# Altium PCB CHAS_CTRL_G0_V1.1.PcbDoc
Units mm, origin at the board's own origin, x right, y up, seen from the top; angles counter-clockwise.
Board outline 68.5 x 50 mm, 2 copper layers (Top Layer, Bottom Layer); 61 components, 59 nets, 244 pads, 88 vias.
Unrouted connection lines stored in the file: 1.
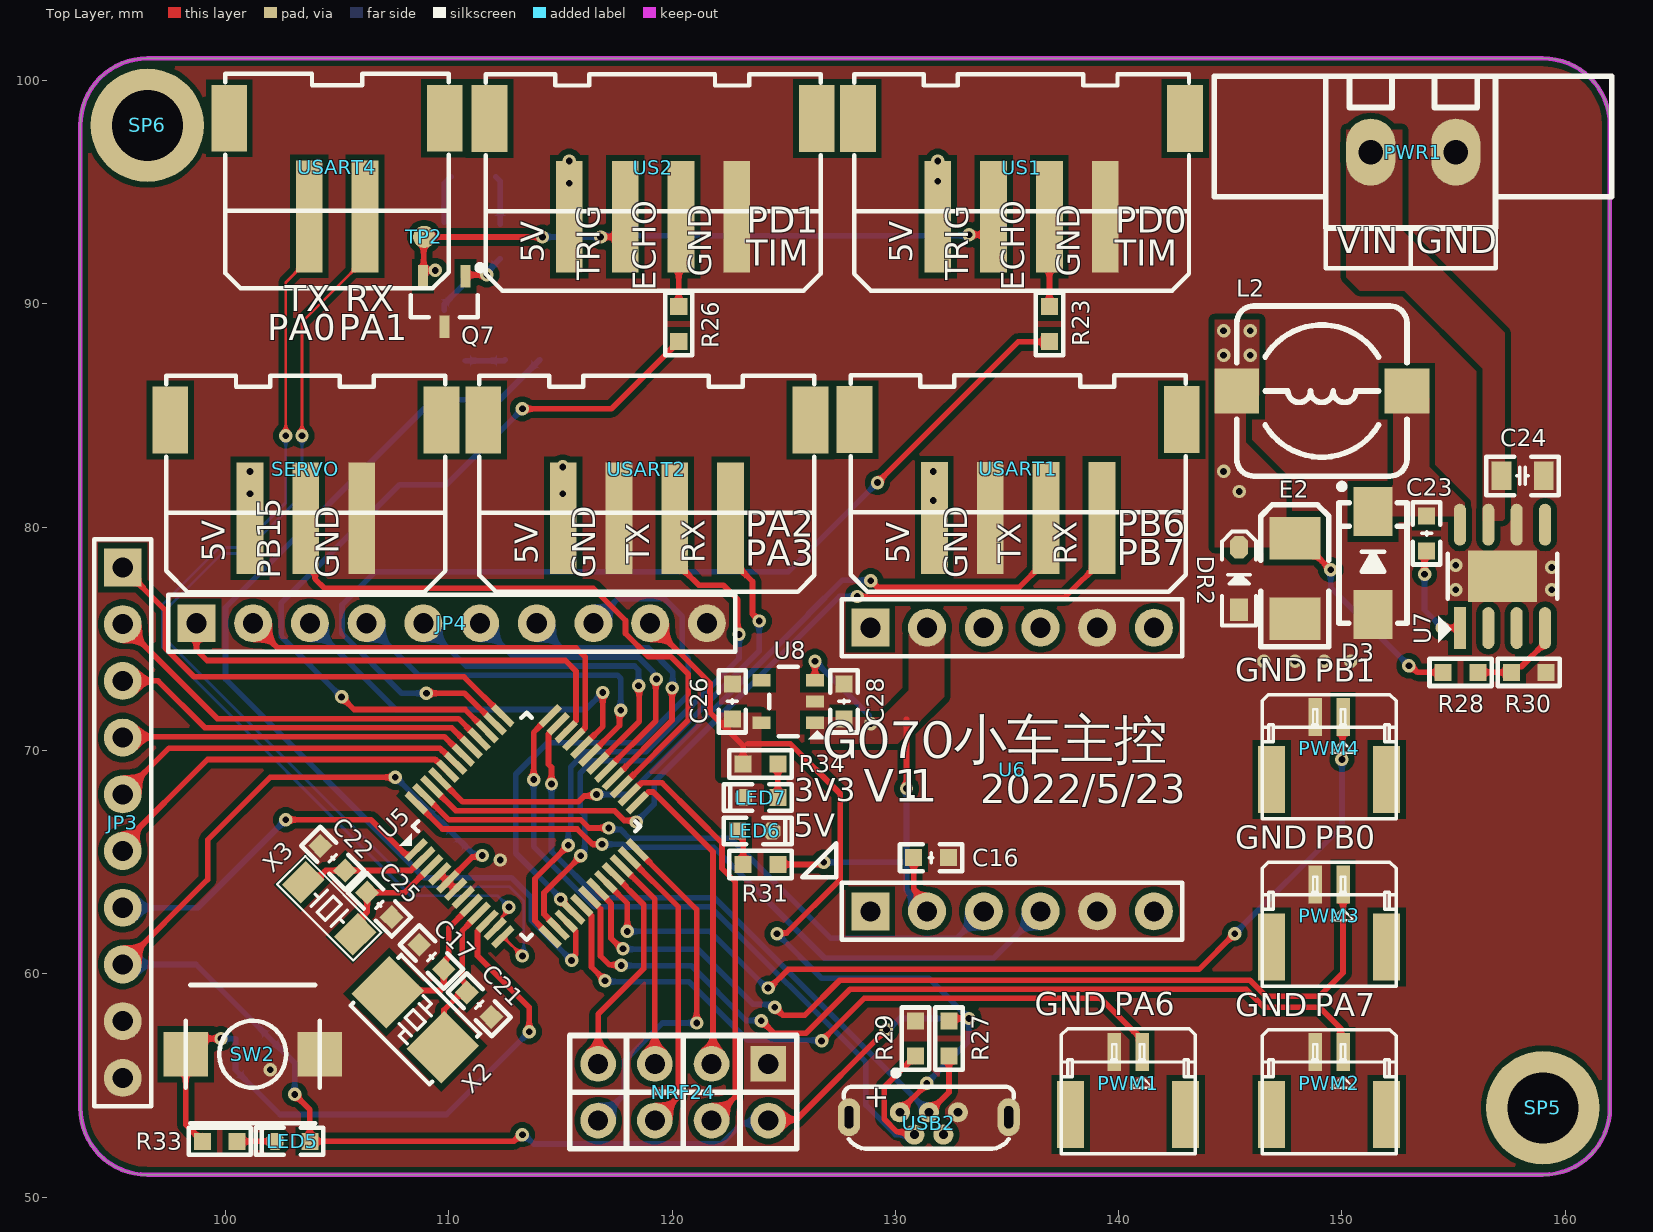
[diagram p0: Top Layer view]
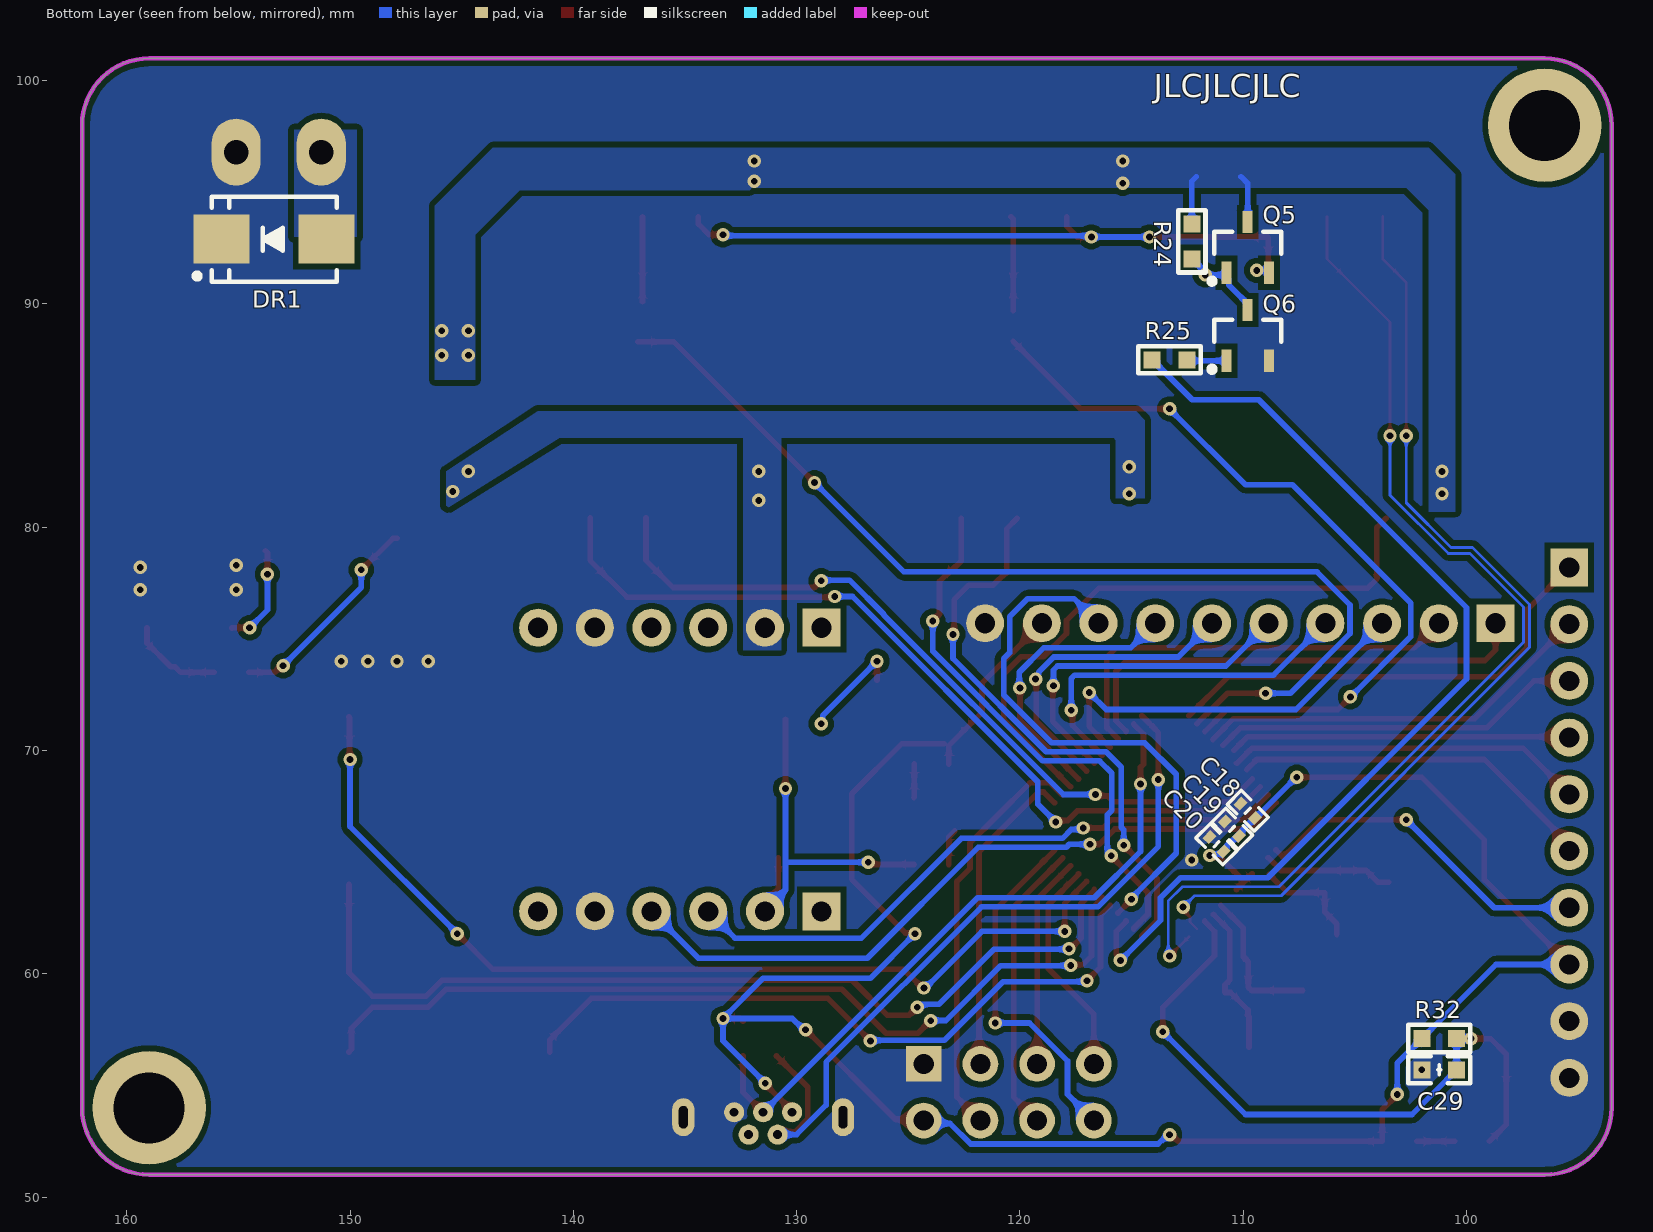
[diagram p1: Bottom Layer view, seen from below]

## Layer stack, top to bottom
Top Solder: solder mask 0.0102, Solder Resist, Dk 3.5
Top Layer: signal copper 0.0356
Dielectric 1: dielectric 0.32, FR-4, Dk 4.8
Bottom Layer: signal copper 0.0356
Bottom Solder: solder mask 0.0102, Solder Resist, Dk 3.5

## Board outline
93.5,54 ccw(c96.5,54) 96.5,51 159,51 ccw(c159,54) 162,54 162,98 ccw(c159,98) 159,101 96.5,101 ccw(c96.5,98) 93.5,98

## Design rules (kind name [scope] priority, off if disabled: settings)
Clearance Polygon [InPolygon] p1: gap=0.254 ignorepadtopadclearanceinfootprint=FALSE
Clearance [All] p2: gap=0.127 ignorepadtopadclearanceinfootprint=FALSE except(0.152: Arc-Arc Arc-Track Track-Track; 0.305: Arc-Via Arc-Hole Track-Via Track-Hole)
HoleSize [All] p1: absolutevalues=TRUE maxlimit=10 minlimit=0.3 maxpercent=80.000 minpercent=20.000
MinimumSolderMaskSliver [All] p1: minsoldermaskwidth=0
PlaneConnect [All] p1: planeconnectstyle=Direct reliefexpansion=0.508 reliefentries=4 reliefconductorwidth=0.254 reliefairgap=0.254
PolygonConnect [All] p1: connectstyle=Direct reliefconductorwidth=0.254 reliefentries=4 polygonreliefangle="90 Angle" airgapwidth=0.254
RoutingVias [All] p1: holewidth=0.3 width=0.6 viastyle="Through Hole" minholewidth=0.3 minwidth=0.6 maxholewidth=0.711 maxwidth=1.27
SilkToSilkClearance [All] p1: silktosilkclearance=0
SilkToSolderMaskClearance [IsPad] p1: minsilkscreentomaskgap=0 clearancetoexposedcopper=TRUE
SolderMaskExpansion [All] p1: expansion=0.064 istentingtop=FALSE
Width [All] p1: maxlimit=1.016 minlimit=0.127 preferedwidth=0.254
25 further rules are at their usual default settings.

## Components (designator, comment, footprint, x,y, rotation, side; value= is the part's Value field where it differs from the comment)
C16 "104" "C 0603_L" 131.6,65.2 r180 top
C17 "22pF" "C 0603_L" 109.227,60.754 r315 top
C18 "104" "C 0402_L" 109.8,67.3 r225 bottom
C19 "104" "C 0402_L" 110.5,66.5 r225 bottom
C20 "4.7uF" "C 0402_L" 111.2,65.8 r225 bottom
C21 "22pF" "C 0603_L" 111.365,58.617 r135 top
C22 "12pF" "C 0603_L" 104.805,65.176 r135 top
C23 "103" "C 0603_L" 153.79,79.723 r270 top
C24 "106" "C 0805_L" 158.09,82.3 r180 top
C25 "12pF" "C 0603_L" 106.894,63.088 r315 top
C26 "4.7uF" "C 0603_L" 122.7,72.2 r270 top
C28 "105" "C 0603_L" 127.7,72.2 r270 top
C29 "104" "C 0603_L" 101.223,55.7 r180 bottom
D3 "B340A" SMA 151.39,78.4 r90 top
DR1 "SMBJ28CA" SMB 153.4,92.9 r0 bottom
DR2 "SMF5.0A" SOD-323 145.39,77.7 r90 top
E2 "220uF/6.3V" "CD B(3528)" 147.89,77.7 r270 top
JP3 "HDR-1X10" HDR2.54-LI-10P 95.4,66.77 r270 top
JP4 "HDR-1X10" HDR2.54-LI-10P 110.13,75.7 r0 top
L2 "15uH" CDRH73 149.1,86.1 r180 top
LED5 "WHITE" "LED 0603W" 103,52.5 r180 top
LED6 "RED" "LED 0603R" 123.7,66.4 r0 top
LED7 "RED" "LED 0603R" 123.976,67.895 r180 top
NRF24 "E01C-ML01D" HDR2.54-LI-2x4P 120.5,54.7 r180 top
PWM1 "HDR-1X2" GH1.25-LS-2P 140.425,54 r0 top
PWM2 "HDR-1X2" GH1.25-LS-2P 149.425,54 r0 top
PWM3 "HDR-1X2" GH1.25-LS-2P 149.425,61.5 r0 top
PWM4 "HDR-1X2" GH1.25-LS-2P 149.425,69 r0 top
PWR1 "绿头卧式2P" 15EDGVM-02P-3.81mm 147.48,96.3 r180 top
Q5 "MMBT2222" SOT23-3L 109.8,92.543 r180 bottom
Q6 "MMBT2222" SOT23-3L 109.8,88.6 r180 bottom
Q7 "MMBT2907A" SOT23-3L 109.8,90.1 r180 top
R23 "22" "R 0603_L" 136.9,89.1 r270 top
R24 "10K" "R 0603_L" 112.3,92.8 r90 bottom
R25 "100" "R 0603_L" 113.3,87.5 r180 bottom
R26 "22" "R 0603_L" 120.3,89.1 r270 top
R27 "10K" "R 0603_L" 132.4,57.1 r90 top
R28 "10K" "R 0603_L" 155.313,73.5 r180 top
R29 "10K" "R 0603_L" 130.9,57.1 r90 top
R30 "3.24K" "R 0603_L" 158.367,73.5 r0 top
R31 "3.3K" "R 0603_L" 123.958,64.9 r180 top
R32 "10K" "R 0603_L" 101.223,57.1 r0 bottom
R33 "1K" "R 0603_L" 99.746,52.5 r0 top
R34 "1.5K" "R 0603_L" 123.958,69.4 r0 top
SERVO "HDR-1X3" XH2.54-LS-3P 103.6,83.783 r0 top
SP5 "M3铜柱" M3x8_L 159,54 r0 top
SP6 "M3铜柱" M3x8_L 96.5,98 r0 top
SW2 "6x6x5" "TS 2PIN 6x6x4.8" 101.223,56.4 r0 top
TP2 "TEST" "TEST 1" 108.9,93 r180 top
U5 "STM32G070CBT6" STMicroelectronics_LQFP48-5B_MFG 113.486,66.607 r45 top
U6 "JY60" JY60 135.23,62.8 r0 top locked
U7 "TPS5430" Texas_Instruments_DDA0008J_IPC_C 157.19,77.8 r90 top
U8 "LP5907MFX-3.3" Diodes_SOT25_MFG 125.2,72.2 r180 top
US1 "HDR-1X4" XH2.54-LS-4P 135.65,97.283 r0 top
US2 "HDR-1X4" XH2.54-LS-4P 119.15,97.283 r0 top
USART1 "HDR-1X4" XH2.54-LS-4P 135.5,83.8 r0 top
USART2 "HDR-1X4" XH2.54-LS-4P 118.874,83.784 r0 top
USART4 "HDR-1X2" XH2.54-LS-2P 105,97.3 r0 top
USB2 "SWD" USB-MICRO_C 131.5,53.3 r0 top
X2 "8MHz" "OSC 5032-2P" 108.501,57.945 r135 top
X3 "32.768KHz" "OSC 3215-2P" 104.647,62.93 r135 top

## Footprints (in the part's own frame and the unit in brackets; to place one, negate y for a bottom-side part, rotate by r counter-clockwise, add the part's x,y. Pads: shape width x height; smd on the part's side, far side on the other; paste and mask are expansions set on the pad)
15EDGVM-02P-3.81mm [mm]
  oval 2.2x3 hole 1.1: 1(-7.62,-0.5) 2(-3.81,-0.5)
  silkscreen extent -14.6,-3.9 3.2,2.9, body extent -14.7,-4 3.31,3, height 9.2
"C 0402_L" [mm] "无极性贴片电容"
  rect 0.4x0.5 smd: 1(-0.45,0) 2(0.45,0)
  silkscreen extent -0.85,-0.45 0.85,0.45, body extent -0.5,-0.26 0.5,0.26, height 0.53
"C 0603_L" [mil] "无极性贴片电容"
  rect 30x30 smd: 1(-30.59,0) 2(30.59,0)
  silkscreen extent -55,-24 55,24, body extent -31,-16 31,16, height 32
"C 0805_L" [mil] "无极性贴片电容"
  rect 35x50 smd: 1(-37.4,0) 2(37.4,0)
  silkscreen extent -64,-34 64,34, body extent -39,-24 39,24, height 20
"CD B(3528)" [mil] "长3.5mm，宽2.8mm，厚1.9mm"
  rect 75x90 smd: 1(-70.87,-0.01) 2(70.86,-0.01)
  silkscreen extent -130,-60 120,60, body extent -69,-55 69,55, height 75
CDRH73 [mm] "7.3*7.3*3.4mm（长宽高）"
  rect 2x2 smd: 1(-3.81,0) 2(3.81,0)
  silkscreen extent -3.81,-3.81 3.81,3.81, body extent -3.65,-3.65 3.65,3.65, height 3.65
Diodes_SOT25_MFG [mm]
  rect 0.8x0.55 smd paste+0 mask+0: 1(-1.2,0.95) 2(-1.2,0) 3(-1.2,-0.95) 4(1.2,-0.95) 5(1.2,0.95)
  silkscreen extent -1.7,-1.55 0.85,1.7, body extent -1.7,-1.65 1.7,1.65, height 0.25
GH1.25-LS-2P [mm] "A1257WR-S-2P"
  rect 1.2x3 smd: 0(-2.575,-0.3) 0(2.575,-0.3)
  rect 0.6x1.7 smd: 1(0.625,2.5) 2(-0.625,2.5)
  silkscreen extent -3,-2.05 3,2.85, body extent -2.88,-2.05 2.88,2.85, height 4.08
HDR2.54-LI-2x4P [mm] "双排排针，4x2脚"
  rect 1.6x1.6 hole 0.9: 1(-3.81,-1.27)
  round 1.6 hole 0.9: 2(-3.81,1.27) 3(-1.27,-1.27) 4(-1.27,1.27) 5(1.27,-1.27) 6(1.27,1.27) 7(3.81,-1.27) 8(3.81,1.27)
  silkscreen extent -5.08,-2.54 5.08,2.54, body extent -5.08,-2.54 5.08,2.54, height 8.5
HDR2.54-LI-10P [mm] "排针，10脚"
  rect 1.7x1.7 hole 0.9: 1(-11.43,0)
  round 1.7 hole 0.9: 2(-8.89,0) 3(-6.35,0) 4(-3.81,0) 5(-1.27,0) 6(1.27,0) 7(3.81,0) 8(6.35,0) 9(8.89,0) 10(11.43,0)
  silkscreen extent -12.7,-1.27 12.7,1.27, body extent -12.7,-1.27 12.7,1.27, height 8.5
JY60 [mm] "六轴IMU"
  rect 1.7x1.7 hole 0.9: 1(-6.35,0) 7(-6.35,12.7)
  round 1.7 hole 0.9: 2(-3.81,0) 3(-1.27,0) 4(1.27,0) 5(3.81,0) 6(6.35,0) 8(-3.81,12.7) 9(-1.27,12.7) 10(1.27,12.7) 11(3.81,12.7) 12(6.35,12.7)
  silkscreen extent -9.4,-1.27 7.62,13.97, body extent -7.62,-1.27 7.62,13.97, height 8.5
"LED 0603R" [mil] "红色0603LED"
  rect 30x30 smd: 1(-30.59,0)
  oct 30x30 smd: 2(30.59,0)
  silkscreen extent -54,-24 65,24, body extent -31,-16 32,16, height 24
"LED 0603W" [mil] "白色0603LED"
  rect 30x30 smd: 1(-30.59,0)
  oct 30x30 smd: 2(30.59,0)
  silkscreen extent -54,-24 65,24, body extent -31,-16 32,16, height 24
M3x8_L [mm] "M3铜柱，长：8mm"
  round 5.08 hole 3.175: 1(0,0)
  body extent -2.7,-2.35 2.7,2.35, height 8.05
"OSC 3215-2P" [mm] "3.2*1.5*0.6mm(长宽高)"
  rect 1.2x1.5 smd: 1(-1.65,0) 2(1.65,0)
  silkscreen extent -2.41,-0.89 2.41,0.89, body extent -1.6,-0.75 1.6,0.75, height 0.61
"OSC 5032-2P" [mm] "5mm*3.2mm*0.8mm(长*宽*高)"
  rect 2.2x2.4 smd: 1(-1.75,0) 2(1.75,0)
  silkscreen extent -2.5,-1.6 2.5,1.6, body extent -2.5,-1.6 2.5,1.6, height 0.86
"R 0603_L" [mil] "1/10W贴片电阻"
  rect 30x30 smd: 1(-30.59,0) 2(30.59,0)
  silkscreen extent -55,-24 55,24, body extent -31,-16 32,16, height 16
SMA [mm] "4.5x2.6*2.2mm（长宽高，不包括引脚）"
  rect 2.2x1.75 smd: 1(-2.3,0) 2(2.3,0)
  silkscreen extent -2.7,-1.52 3.56,1.52, body extent -2.52,-1.3 2.57,1.3, height 2.15
SMB [mm] "4.7*3.9*2.2mm(长宽高，不包括引脚）"
  rect 2.5x2.2 smd: 1(-2.35,0) 2(2.35,0)
  silkscreen extent -2.8,-1.9 3.58,1.9, body extent -2.63,-1.8 2.67,1.8, height 2.35
SOD-323 [mm] "1.8x1.3X0.9mm（长宽高，不包括引脚）"
  rect 1x0.8 smd: 1(-1.4,0)
  oct 1x0.8 smd: 2(1.4,0)
  silkscreen extent -2.11,-0.76 2.11,0.76, body extent -1.34,-0.63 1.31,0.67, height 1
SOT23-3L [mm] "3x1.3x1mm(长宽高)"
  rect 0.45x1 smd: 1(-0.95,-1.143) 2(0.95,-1.143) 3(0,1.125)
  silkscreen extent -1.73,-1.65 1.5,0.7, body extent -1.5,-1.2 1.5,1.2, height 1.05
STMicroelectronics_LQFP48-5B_MFG [mm]
  rect 1.2x0.3 smd paste+0 mask+0: 1(-4.25,2.75) 2(-4.25,2.25) 3(-4.25,1.75) 4(-4.25,1.25) 5(-4.25,0.75) 6(-4.25,0.25) 7(-4.25,-0.25) 8(-4.25,-0.75) 9(-4.25,-1.25) 10(-4.25,-1.75) 11(-4.25,-2.25) 12(-4.25,-2.75) 25(4.25,-2.75) 26(4.25,-2.25) 27(4.25,-1.75) 28(4.25,-1.25) 29(4.25,-0.75) 30(4.25,-0.25) 31(4.25,0.25) 32(4.25,0.75) 33(4.25,1.25) 34(4.25,1.75) 35(4.25,2.25) 36(4.25,2.75)
  rect 0.3x1.2 smd paste+0 mask+0: 13(-2.75,-4.25) 14(-2.25,-4.25) 15(-1.75,-4.25) 16(-1.25,-4.25) 17(-0.75,-4.25) 18(-0.25,-4.25) 19(0.25,-4.25) 20(0.75,-4.25) 21(1.25,-4.25) 22(1.75,-4.25) 23(2.25,-4.25) 24(2.75,-4.25) 37(2.75,4.25) 38(2.25,4.25) 39(1.75,4.25) 40(1.25,4.25) 41(0.75,4.25) 42(0.25,4.25) 43(-0.25,4.25) 44(-0.75,4.25) 45(-1.25,4.25) 46(-1.75,4.25) 47(-2.25,4.25) 48(-2.75,4.25)
  silkscreen extent -4.65,-3.6 3.6,3.6, body extent -4.95,-4.95 4.95,4.95, height 0.25
"TEST 1" [mm] "测试点1mm"
  round 1 smd paste-1: 1(0,0)
Texas_Instruments_DDA0008J_IPC_C [mm]
  rect 1.874x0.542 smd paste+0 mask+0: 1(-2.316,1.905)
  rrect100% 1.874x0.542 smd paste+0 mask+0: 2(-2.316,0.635) 3(-2.316,-0.635) 4(-2.316,-1.905) 5(2.316,-1.905) 6(2.316,-0.635) 7(2.316,0.635) 8(2.316,1.905)
  rect 2.3x3.1 smd paste-1000 mask+0: 9(0,0)
  silkscreen extent -2.98,-2.45 1,2.87, body extent -3.01,-2.45 3.01,2.45, height 1.7
"TS 2PIN 6x6x4.8" [mm] "贴片轻触开关6x6x4.8"
  rect 2x2 smd: 1(-3,0) 2(3,0)
  silkscreen extent -3,-3.1 3,3.1, body extent -3.3,-3 3.3,3, height 5
USB-MICRO_C [mm] "micro型USB ，5.7*7.8*2.5mm"
  round 0.9 hole 0.4: 1(-1.3,0.5) 2(-0.65,-0.5) 3(0,0.5) 4(0.65,-0.5) 5(1.3,0.5)
  oval 1x1.7 hole 0.4 slot 1 at 90 deg: 5(-3.575,0.28) 5(3.575,0.28)
  silkscreen extent -3.81,-1.14 3.81,2.39, body extent -4,-1.21 4,1.77, height 5.65
XH2.54-LS-2P [mm] "长：10mm，宽：6mm，高：8.3mm"
  rect 1.6x3 smd: 0(-4.826,1.016) 0(4.826,1.016)
  rect 1.2x5 smd: 1(-1.25,-3.383) 2(1.25,-3.383)
  silkscreen extent -5,-3.13 5,3, body extent -5,-6 5,3, height 8
XH2.54-LS-3P [mm] "长：12.5mm，宽：6mm，高：8.3mm"
  rect 1.6x3 smd: 0(-6.076,1.016) 0(6.076,1.016)
  rect 1.2x5 smd: 1(-2.5,-3.383) 2(0,-3.383) 3(2.5,-3.383)
  silkscreen extent -6.25,-3.13 6.25,3, body extent -6.25,-6 6.25,3, height 8
XH2.54-LS-4P [mm] "长：15mm，宽：6mm，高：8.3mm"
  rect 1.6x3 smd: 0(-7.326,1.016) 0(7.326,1.016)
  rect 1.2x5 smd: 1(-3.75,-3.383) 2(-1.25,-3.383) 3(1.25,-3.383) 4(3.75,-3.383)
  silkscreen extent -7.5,-3.13 7.5,3, body extent -7.5,-6 7.5,3, height 8

## Part data
C16 C17 C18 C19 C20 C21 C22 C23 C24 C25 C26 C28 C29: library part C, "无极性贴片电容", BOM名称=无极性贴片电容, 材质=X7R
D3: library part 1N5819, "肖特基二极管", BOM名称=肖特基二极管, 属性=40V/2A
DR1 DR2: library part DR, "瞬态电压抑制二极管", BOM名称=瞬态电压抑制二极管
E2: library part C-CD, "贴片钽电容", BOM名称=贴片钽电容
JP3 JP4: library part "Header 10", "10P接插件", BOM名称=10P接插件
L2: library part L-CDRH, "功率屏蔽电感", BOM名称=功率屏蔽电感
LED5 LED6 LED7: library part LED-SMD, "贴片LED", BOM名称=贴片LED
NRF24: library part "Header 4X2", "4*2P接插件", BOM名称=4*2P接插件
PWM1 PWM2 PWM3 PWM4 USART4: library part "Header 2", "2P接插件", BOM名称=2P接插件
PWR1: "3.81间距"
Q5 Q6: library part MMBTA42, "高压-NPN型", BOM名称=高压-NPN型, 属性="300V 0.5A"
Q7: library part 8550-SMD, "高频放大-PNP型", BOM名称=高频放大-PNP型, 属性="40V 1.5A 1W 100MHZ"
R23 R24 R25 R26 R27 R28 R29 R30 R31 R32 R33 R34: library part R, "贴片电阻", BOM名称=贴片电阻
SERVO: library part "Header 3", "3P接插件", BOM名称=3P接插件
SP5 SP6: library part 铜柱小焊盘, "铜柱", BOM名称=铜柱
SW2: library part "TSW SMD-2Pin-6x6", "2脚贴片6x6无声硅胶轻触开关", BOM名称=2脚轻触开关
TP2: "测试点", BOM名称=测试点
U5: "Arm® Cortex®-M0+ 32-bit MCU, 128 KB Flash, 36 KB RAM, / 4x USART, timers, ADC, comm. I/Fs, 2.0-3.6V"
U6: "ICM-42605 六轴姿态测量传感器"
U7: library part TPS5430DDA, "5.5V to 36V Input, 3A, 500kHz Step-Down Converter 8-SO PowerPAD 0 to 0"
U8: library part LP5907MFX-3.3-NOPB, "250-mA ultra-low-noise low-IQ low-dropout (LDO) linear regulator 5-SOT-23 -40 to 125"
US1 US2 USART1 USART2: library part "Header 4", "4P接插件", BOM名称=4P接插件
USB2: library part USB-5P, "微型USB母座", BOM名称=微型USB母座
X2 X3: library part XTAL-2P, "2脚无源脚晶振", BOM名称=2脚无源脚晶振, 负载电容=CL20pF

## Via types
v1: diameter 0.6, hole 0.3, Top Layer to Bottom Layer, tented both sides, 88 vias

## Nets (pads, with @x,y where several pads share a name; then routed paths per layer and width w, separated by ;. In a path a pad name is that pad's centre, name@x,y a point inside that pad or via, vN(x,y) a via of type N, cw(c..) or ccw(c..) an arc to the next point about the centre after c; other vN are vias at no path point)
3V3: C18.2 C19.2 C20.2 C26.2 JP3.8 JP4.9 LED5.1 NRF24.2 R27.2 R32.2 R34.1 U5.4 U5.5 U5.6 U8.5 USB2.1 | length 107.9
  Top Layer w0.254: JP3.8 99.2,64.22 99.2,66 102,68.8 v1(107.6,68.8) ; v1(103.1,54.6) 103.777,53.923 LED5.1 112.906,52.5 113.206,52.8 v1(113.3,52.8) ; U5.4 U5.6 ; U5.5 111.052,65.234 111.434,65.234 v1(111.5,65.3) ; JP4.9 121.7,73.02 121.7,71.7 123.181,70.219 R34.1 ; 123.4,70.3 125.3,70.3 127.532,68.068 127.532,64.232 125.128,61.828 124.728,61.828 v1(124.7,61.8) ; NRF24.2 124.365,53.485 125.585,53.485 v1(129.6,57.5) ; USB2.1 130.2,53.85 131.4,55.05 v1(131.4,55.1) ; R27.2 132.523,58 v1(133.3,58)
  Bottom Layer w0.254: JP3.8 98.68,60.42 R32.2 103.1,56 v1(103.1,54.6) ; v1(107.6,68.8) 107.632,68.8 109.45,66.982 C18.2 111.098,65.366 111.434,65.366 v1(111.5,65.3) ; v1(113.3,52.8) 113.394,52.8 113.818,52.376 122.207,52.376 123.129,53.298 124.178,53.298 NRF24.2 ; v1(124.7,61.8) 126.7,59.8 131.5,59.8 v1(133.3,58) ; v1(129.6,57.5) 129.694,57.5 130.194,58 v1(133.3,58) ; v1(131.4,55.1) 133.3,57 v1(133.3,58)
5V: C16.2 C28.2 DR2.2 E2.1 L2.2 Q5.3 R24.2 R28.2 R31.1 SERVO.1 U6.2 U6.8 U8.1 U8.3 US1.1 US2.1 USART1.1 USART2.1 | length 36.1
  Top Layer w0.254: R31.1 126.7,64.9 v1(126.8,65) ; U8.3 v1(126.4,74) ; v1(130.5,68.3) 130.5,71.4 ; C16.2 130.823,63.788 131.42,63.191 U6.2 ; E2.1 148.08,79.5 149.48,78.1 v1(149.5,78.1) ; v1(153,73.8) 153.094,73.8 153.394,73.5 R28.2
  Bottom Layer w0.254: Q5.3 109.8,95.4 110.1,95.7 ; 112.1,95.7 112.3,95.5 R24.2 ; v1(126.4,74) 128.834,71.566 128.834,71.266 v1(128.9,71.2) ; v1(126.8,65) 130.4,65 130.5,64.9 ; v1(130.5,68.3) 130.5,64.9 ; U6.2 131.42,62.833 130.5,63.753 130.5,64.9 ; v1(149.5,78.1) 149.5,77.3 v1(153,73.8)
  other v1: 131.7,81.2 101.1,81.5 115.1,81.5 145.4,81.6 101.1,82.5 131.7,82.5 144.7,82.5 115.1,82.7 144.7,87.7 145.9,87.7 144.7,88.8 145.9,88.8 115.4,95.4 131.9,95.5 115.4,96.4 131.9,96.4
GND: C16.1 C17.1 C18.1 C19.1 C20.1 C21.1 C22.2 C24.1 C25.2 C26.1 C28.1 C29.1 D3.1 DR1.2 DR2.1 E2.2 JP3.9 JP3.10 JP4.10 LED6.2 LED7.2 NRF24.1 PWM1.2 PWM2.2 PWM3.2 PWM4.2 PWR1.1 Q6.2 Q7.3 R29.2 R30.2 SERVO.3 SW2.2 U5.7 U6.5 U6.11 U7.6 U7.9 U8.2 US1.4 US2.4 USART1.2 USART2.2 USB2.5
  other v1: 102,55.7 112.3,65.1 146.5,74 147.9,74 149.2,74 150.4,74 155.1,77.2 159.4,77.2 159.4,78.2 155.1,78.3
NetC23_1: C23.1 D3.2 L2.1 U7.8
NetC23_2: C23.2 U7.1 | length 4.6
  Top Layer w0.254: v1(153.7,77.9) 153.7,78.856 C23.2 ; v1(154.5,75.5) 155.269,75.5 U7.1
  Bottom Layer w0.254: v1(153.7,77.9) 153.7,76.3 v1(154.5,75.5)
NetLED5_2: LED5.2 R33.2 | length 1.7
  Top Layer w0.254: R33.2 LED5.2
NetLED6_1: LED6.1 R31.2 | length 1.6
  Top Layer w0.254: LED6.1 123.181,66.141 R31.2
NetLED7_1: LED7.1 R34.2 | length 1.5
  Top Layer w0.254: R34.2 124.735,67.913 LED7.1
NetQ5_1: Q5.1 Q6.3 Q7.1 R24.1 | length 4.8
  Top Layer w0.254: Q7.1 110.807,91.3 v1(111.7,91.3)
  Bottom Layer w0.254: Q6.3 109.8,90 110.652,90.852 110.652,91.104 110.848,91.3 v1(111.7,91.3) 111.766,91.366 111.766,91.489 R24.1
NetQ6_1: Q6.1 R25.2 | length 1.8
  Bottom Layer w0.254: Q6.1 112.48,87.457 R25.2
NetR23_1: R23.1 US1.3 | length 3.8
  Top Layer w0.254: R23.1@136.9,90.1 US1.3
NetR26_1: R26.1 US2.3 | length 4.2
  Top Layer w0.254: R26.1@120.3,89.7 R26.1 120.3,93.8 US2.3
NetR28_1: R28.1 R30.1 U7.4 | length 4.2
  Top Layer w0.254: R28.1 R30.1 157.844,73.754 158.031,73.754 159.095,74.818 U7.4
NRST: C29.2 R32.1 R33.1 SW2.1 U5.10 | length 29.7
  Top Layer w0.254: R33.1 98.223,53.246 SW2.1 98.923,57.1 v1(99.8,57.1) ; U5.10 111.718,62.332 111.288,61.901 111.288,60.812 113.6,58.5 v1(113.6,57.4)
  Bottom Layer w0.254: v1(99.8,57.1) R32.1 C29.2 102.446,53.7 109.9,53.7 v1(113.6,57.4)
PA0-USART4_TX: U5.11 USART4.1 | length 44.2
  Top Layer w0.127: v1(102.7,84.1) 102.7,90.967 103.75,92.017 USART4.1 ; U5.11 112.39,62.329 112.39,62.554 112.439,62.604 112.439,62.606 112.694,62.861 v1(112.694,62.989)
  Bottom Layer w0.127: v1(102.7,84.1) 102.7,81.1 100.7,79.1 99.735,79.1 97.173,76.538 97.173,74.627 108.3,63.5 112.183,63.5 v1(112.694,62.989)
PA1-USART4_RX: U5.12 USART4.2 | length 47.7
  Top Layer w0.127: v1(103.427,84.1) 103.427,89.194 106.25,92.017 USART4.2 ; U5.12 112.443,61.657 v1(113.3,60.8)
  Bottom Layer w0.127: v1(103.427,84.1) 103.427,81.432 100.816,78.821 99.851,78.821 97.453,76.422 97.453,74.847 108.4,63.9 112.728,63.9 113.362,63.266 113.362,60.862 v1(113.3,60.8)
PA2-USART2_TX: U5.13 USART2.3 | length 26.2
  Top Layer w0.254: U5.13 114.547,61.69 113.862,62.375 113.862,64.262 v1(115.355,65.755) ; USART2.3 120.597,79.928 120.597,78.003 121.2,77.4 122.3,77.4 122.94,76.76 122.94,75.26 v1(123,75.2)
  Bottom Layer w0.254: v1(115.355,65.755) 115.355,66.453 115.466,66.563 115.466,69.266 116.145,69.945 118.821,69.945 123,74.124 v1(123,75.2)
PA3-USART2_RX: U5.14 USART2.4 | length 24.9
  Top Layer w0.254: U5.14 114.9,62.043 114.268,62.675 114.268,63.633 v1(115.917,65.283) ; USART2.4 122.624,78.501 123.097,78.028 123.142,78.028 123.6,77.57 123.6,76.122 123.9,75.822 v1(123.9,75.8)
  Bottom Layer w0.254: v1(115.917,65.283) 116.087,65.452 116.087,67.12 115.887,67.32 115.887,68.987 116.439,69.539 118.989,69.539 123.9,74.449 v1(123.9,75.8)
PA4-TIM14_CH1: R25.1 U5.15 | length 45.2
  Top Layer w0.254: U5.15 115.254,62.332 115.685,61.901 115.685,60.878 115.5,60.694 v1(115.5,60.6)
  Bottom Layer w0.254: R25.1 112.283,85.706 109.306,85.706 100,76.4 100,73.2 108.9,64.3 112.813,64.3 113.705,63.408 113.705,62.395 v1(115.5,60.6)
PA5: JP4.8 U5.16 | length 24.9
  Top Layer w0.254: v1(115.007,63.337) 115.007,63.328 115.607,62.727 U5.16
  Bottom Layer w0.254: v1(115.007,63.337) 115.007,63.393 113,65.4 113,68.935 114.417,70.352 118.586,70.352 120.732,72.497 120.732,74.111 120.456,74.386 120.456,76 119.652,76.804 117.584,76.804 JP4.8
PA6-TIM3_CH1: PWM1.1 U5.17 | length 31.1
  Top Layer w0.254: U5.17 115.961,63.039 116.392,62.608 116.392,60.303 v1(116.999,59.696) ; v1(126.695,56.995) 128.6,58.9 139.2,58.9 141.05,57.05 PWM1.1
  Bottom Layer w0.254: v1(116.999,59.696) 117.052,59.644 120.756,59.644 123.376,57.024 126.666,57.024 v1(126.695,56.995)
PA7-TIM3_CH2: PWM2.1 U5.18 | length 40
  Top Layer w0.254: U5.18 116.315,63.392 116.798,62.909 116.798,60.802 117.2,60.4 117.571,60.4 117.595,60.376 v1(117.731,60.376) ; v1(124,57.9) 124.564,57.336 126.001,57.336 127.971,59.306 145.71,59.306 146.516,58.5 149,58.5 149.935,57.565 149.935,56.615 PWM2.1
  Bottom Layer w0.254: v1(117.731,60.376) 117.738,60.368 120.862,60.368 123.319,57.911 123.989,57.911 v1(124,57.9)
PA8: JP4.7 U5.28 | length 12.9
  Top Layer w0.254: U5.28 120,71.353 v1(120,72.8)
  Bottom Layer w0.254: JP4.7 115.044,74.596 118.939,74.596 120.032,73.503 120.032,72.832 v1(120,72.8)
PA9: JP4.6 U5.29 | length 14.1
  Top Layer w0.254: U5.29 119.268,71.328 119.268,73.168 v1(119.3,73.2)
  Bottom Layer w0.254: JP4.6 112.91,74.19 118.485,74.19 119.16,73.515 119.16,73.434 119.3,73.294 v1(119.3,73.2)
PA10: JP4.3 U5.32 | length 17.9
  Top Layer w0.254: U5.32 116.9,71.081 v1(116.9,72.6)
  Bottom Layer w0.254: JP4.3 107.644,71.836 116.136,71.836 v1(116.9,72.6)
PA11: JP4.2 U5.33 | length 19.4
  Top Layer w0.254: JP4.2 102.344,74.596 115.704,74.596 116.106,74.194 116.106,71.027 115.607,70.528 U5.33
PA12: JP4.1 U5.34 | length 21.5
  Top Layer w0.254: JP4.1 98.7,74.506 99.178,74.029 115.222,74.029 115.7,73.551 115.7,71.328 115.254,70.882 U5.34
PA15: JP3.1 U5.37 | length 20.8
  Top Layer w0.254: JP3.1 97.3,76.3 97.3,74.6 98.6,73.3 110.682,73.3 U5.37
PB0-TIM3_CH3: PWM3.1 U5.19 | length 42
  Top Layer w0.254: U5.19 116.668,63.746 117.268,63.146 117.268,61.597 117.745,61.12 v1(117.803,61.12) ; v1(124.6,58.5) 124.962,58.138 125.938,58.138 127.513,59.713 145.878,59.713 146.591,59 149,59 150.05,60.05 PWM3.1
  Bottom Layer w0.254: v1(117.803,61.12) 117.943,61.12 117.963,61.1 121.165,61.1 123.633,58.632 124.375,58.632 124.506,58.5 v1(124.6,58.5)
PB1-TIM3_CH4: PWM4.1 U5.20 | length 43.6
  Top Layer w0.254: U5.20 118,63.154 v1(118,61.9) ; v1(124.3,59.364) 124.37,59.364 125.206,60.2 143.6,60.2 v1(145.2,61.8) ; v1(150,69.6) 150.025,69.625 150.025,71.475 PWM4.1
  Bottom Layer w0.254: v1(118,61.9) 121.7,61.9 124.236,59.364 v1(124.3,59.364) ; v1(145.2,61.8) 150,66.6 v1(150,69.6)
PB2-SPI2_MISO: NRF24.7 U5.21 | length 9.9
  Top Layer w0.254: NRF24.7 116.69,58.19 118.732,60.232 118.732,63.096 117.375,64.453 U5.21
PB3: JP3.4 U5.42 | length 15.3
  Top Layer w0.254: JP3.4 95.436,70.616 109.808,70.616 U5.42@110.413,70.011
PB4: JP3.5 U5.43 | length 16
  Top Layer w0.254: JP3.5 97.468,70.108 109.598,70.108 110.076,69.629 110.078,69.629 110.272,69.435 U5.43
PB5: JP3.6 U5.44 | length 16.5
  Top Layer w0.254: JP3.6 95.4,65.8 99.2,69.6 109.387,69.6 U5.44@109.841,69.146
PB6-USART1_TX: U5.45 USART1.3 | length 34.2
  Top Layer w0.254: U5.45 110.619,67.706 115.811,67.706 116.07,67.966 116.553,67.966 v1(116.619,68.032) ; v1(128.9,77.6) 128.922,77.6 129.222,77.3 135.533,77.3 136.75,78.517 USART1.3
  Bottom Layer w0.254: v1(116.619,68.032) 118.057,68.032 126.1,76.075 126.1,76.1 127.632,77.632 128.868,77.632 v1(128.9,77.6)
PB7-USART1_RX: U5.46 USART1.4 | length 38
  Top Layer w0.254: U5.46 110.318,67.3 117.427,67.3 117.86,66.866 118.334,66.866 v1(118.4,66.8) ; v1(128.3,76.9) 128.332,76.868 137.601,76.868 139.25,78.517 USART1.4
  Bottom Layer w0.254: v1(118.4,66.8) 119.2,67.6 119.2,68.6 127.5,76.9 v1(128.3,76.9)
PB8-USART3_TX: U5.47 U6.3 | length 28.2
  Top Layer w0.254: U5.47 110.017,66.894 115.916,66.894 116.278,66.532 v1(117.16,66.532)
  Bottom Layer w0.254: v1(117.16,66.532) 117.226,66.466 117.699,66.466 118.097,66.068 122.632,66.068 127.1,61.6 132.76,61.6 U6.3
PB9-USART3_RX: U5.48 U6.4 | length 31.7
  Top Layer w0.254: U5.48 109.717,66.487 115.748,66.487 116.435,65.8 v1(116.864,65.8)
  Bottom Layer w0.254: v1(116.864,65.8) 117.79,65.8 117.929,65.662 121.873,65.662 126.835,60.7 134.4,60.7 U6.4
PB10-SPI2_SCK: NRF24.5 U5.22 | length 9.5
  Top Layer w0.254: U5.22 119.23,63.338 NRF24.5
PB11-SPI2_MOSI: NRF24.6 U5.23 | length 13.1
  Top Layer w0.254: U5.23 120.284,62.991 120.284,54.484 NRF24.6
PB12-NRF_IRQ: NRF24.8 U5.24 | length 15.9
  Top Layer w0.254: U5.24 121.1,62.882 v1(121.1,57.8)
  Bottom Layer w0.254: NRF24.8 117.87,54.61 117.87,56.101 119.569,57.8 v1(121.1,57.8)
PB13-NRF_CE: NRF24.3 U5.25 | length 14.2
  Top Layer w0.254: U5.25 118.468,67.668 118.945,68.144 119.156,68.144 121.832,65.468 121.832,56.032 NRF24.3
PB14-NRF_CS: NRF24.4 U5.26 | length 18.6
  Top Layer w0.254: U5.26 118.115,68.021 118.645,68.551 119.549,68.551 121.062,67.038 122.238,65.862 122.238,64.722 122.824,64.136 122.824,54.484 NRF24.4
PB15-TIM15_CH2: SERVO.2 U5.27 | length 28
  Top Layer w0.254: SERVO.2 104.015,79.985 104.015,77.685 104.426,77.274 116.467,77.274 117.916,75.825 117.916,75.243 118.959,74.2 119.945,74.2 120.732,73.413 120.732,71.378 U5.27
PC6: JP4.5 U5.30 | length 15.5
  Top Layer w0.254: U5.30 118.532,71.299 118.532,72.868 v1(118.5,72.9)
  Bottom Layer w0.254: JP4.5 110.777,73.783 118.317,73.783 118.5,73.6 v1(118.5,72.9)
PC7: JP4.4 U5.31 | length 16.4
  Top Layer w0.254: U5.31 117.645,71.119 117.645,71.745 v1(117.7,71.8)
  Bottom Layer w0.254: JP4.4 108.643,73.377 117.551,73.377 117.7,73.228 v1(117.7,71.8)
PC13: JP3.7 U5.1 | length 15.6
  Top Layer w0.254: v1(102.7,66.9) 106.514,66.9 108.186,65.228 108.218,65.228 U5.1
  Bottom Layer w0.254: JP3.7 98.76,62.96 v1(102.7,66.9)
PC14-OSC32_IN: C22.1 U5.2 X3.2 | length 5.9
  Top Layer w0.254: X3.2 103.957,64.097 104.487,64.627 C22.1 108.292,64.627 108.857,65.193 U5.2
PC15-OSC32_OUT: C25.1 U5.3 X3.1 | length 4.9
  Top Layer w0.254: X3.1 105.814,62.239 106.344,62.77 C25.1 108.02,63.637 U5.3@108.842,64.458
PD0-TIM16_CH1: R23.2 U5.38 | length 46.6
  Top Layer w0.254: v1(109,72.568) 110.707,72.568 U5.38 ; v1(129.2,82) 135.5,88.3 R23.2@137.111,88.3
  Bottom Layer w0.254: v1(109,72.568) 107.891,72.568 105.216,75.243 105.216,76.516 106.7,78 125.2,78 v1(129.2,82)
PD1-TIM17_CH1: R26.2 U5.39 | length 35.1
  Top Layer w0.254: v1(105.2,72.4) 105.764,71.836 110.732,71.836 U5.39 ; v1(113.3,85.3) 117.277,85.3 R26.2
  Bottom Layer w0.254: v1(105.2,72.4) 102.5,75.1 102.5,76.6 107.8,81.9 109.9,81.9 v1(113.3,85.3)
PD2: JP3.2 U5.40 | length 18.1
  Top Layer w0.254: JP3.2 97.96,73.1 99.63,71.43 110.431,71.43 U5.40
PD3: JP3.3 U5.41 | length 16.7
  Top Layer w0.254: JP3.3 96.98,73.12 99.076,71.024 110.13,71.024 U5.41@110.921,70.233
PF0-OSC_IN: C17.2 U5.8 X2.2 | length 6.7
  Top Layer w0.254: X2.2@107.334,59.253 109.628,59.253 109.777,59.402 109.777,60.542 110,60.765 110,62.06 U5.8
PF1-OSC_OUT: C21.2 U5.9 X2.1 | length 7
  Top Layer w0.254: X2.1 109.739,58.083 109.809,58.154 109.787,58.176 109.787,58.387 110.566,59.166 C21.2 110.815,59.511 110.6,59.727 110.6,61.92 111.329,62.65 U5.9@111.329,62.671
SWCLK: R29.1 U5.36 USB2.2 | length 34.7
  Top Layer w0.254: v1(113.8,68.7) 113.8,70.81 U5.36 ; USB2.2 130.726,52.924 130.081,52.924 129.496,53.508 129.496,54.919 R29.1
  Bottom Layer w0.254: v1(113.8,68.7) 113.8,65.701 116.501,63 121.725,63 128.679,56.046 128.679,54.121 130,52.8 USB2.2
SWDIO: R27.1 U5.35 USB2.3 | length 30.6
  Top Layer w0.254: v1(114.6,68.5) 114.6,69.251 114.47,69.382 114.47,70.74 114.9,71.171 U5.35 ; USB2.3 132.4,54.7 R27.1
  Bottom Layer w0.254: v1(114.6,68.5) 114.6,65.476 116.669,63.406 121.894,63.406 USB2.3
TRIG: Q5.2 Q7.2 TP2.1 US1.2 US2.2 | length 30.7
  Top Layer w0.254: Q7.2 108.85,91.402 Q7.2@108.875,91.427 ; v1(109.4,91.5) 108.948,91.5 Q7.2@108.875,91.427 ; v1(114.2,93) TP2.1 108.875,92.975 Q7.2@108.875,91.427 ; v1(116.8,93) 117.427,93 117.9,93.473 US2.2 ; v1(133.3,93.1) 133.927,93.1 134.4,93.573 US1.2
  Bottom Layer w0.254: Q5.2 108.85,91.402 108.948,91.5 v1(109.4,91.5) ; v1(114.2,93) v1(116.8,93) 116.85,93.05 133.25,93.05 v1(133.3,93.1)
VIN: C24.2 DR1.1 PWR1.2 U7.7
pads on no net: PWM1.0 PWM2.0 PWM3.0 PWM4.0 SERVO.0 SP5.1 SP6.1 U6.1 U6.6 U6.7 U6.9 U6.10 U6.12 U7.2 U7.3 U7.5 U8.4 US1.0 US2.0 USART1.0 USART2.0 USART4.0 USB2.4

## Polygon pours and split planes (outlines as drawn)
GND on Top Layer "GND_L01_P010" (solid, remove dead copper, pour order 10): 93.5,54 ccw(c96.5,54) 96.5,51 159,51 ccw(c159,54) 162,54 162,98 ccw(c159,98) 159,101 96.5,101 ccw(c96.5,98) 93.5,98
3V3 on Top Layer "3V3_L01_P008" (solid, remove dead copper, pour order 8): 122.2,71.7 122.2,68.8 124,68.8 124,71.7
5V on Top Layer "5V_L01_P007" (solid, remove dead copper, pour order 7): 126.2,70.3 130.1,70.3 132.2,72.4 132.2,75.2 130.6,75.2 130.6,72.7 129.4,71.5 126.2,71.5
5V on Top Layer "5V_L01_P005" (solid, remove dead copper, pour order 5): 144.3,85.9 146.3,85.9 146.3,89.3 144.3,89.3
5V on Top Layer "5V_L01_P003" (solid, remove dead copper, pour order 3): 144.3,85.9 144.3,82.4 144.3,79.1 145.39,79.1 147.5,79.1 147.5,82 145.7,83.8 145.7,85.9
NetC23_1 on Top Layer "NETC23_1_L01_P002" (solid, remove dead copper, pour order 2): 151.9,80.5 155.5,80.5 155.5,81.1 153.9,82.7 153.9,85.8 152.3,85.8 152.3,81.9 152.2,81.8 151.9,81.8
VIN on Top Layer "VIN_L01_P000" (solid, remove dead copper, pour order 0): 150.2,97.8 150.2,91.2 150.8,90.6 152.8,90.6 156.3,87.1 156.3,80.3 157.2,80.3 157.3,80.4 157.3,87.7 157.3,88.7 152.7,93.3 152.7,97.8
GND on Bottom Layer "GND_L02_P009" (solid, remove dead copper, pour order 9): 93.5,54 ccw(c96.5,54) 96.5,51 159,51 ccw(c159,54) 162,54 162,98 ccw(c159,98) 159,101 96.5,101 ccw(c96.5,98) 93.5,98
5V on Bottom Layer "5V_L02_P004" (solid, remove dead copper, pour order 4): 100.5,80.7 101.7,80.7 101.7,94.2 102.7,95.2 132,95.2 132.1,95.1 142.4,95.1 144.4,93.1 144.4,86.6 146.2,86.6 146.2,94.4 143.6,97 108.3,97 101.7,97 100.5,95.8
5V on Bottom Layer "5V_L02_P006" (solid, remove dead copper, pour order 6): 145.7,82.5 141.6,85.2 114.8,85.2 114.4,84.8 114.4,81.3 115.7,81.3 115.7,83.9 115.8,84 130.7,84 130.7,74.5 132.4,74.5 132.4,84 140.6,84 145.7,80.827
VIN on Bottom Layer "VIN_L02_P001" (solid, remove dead copper, pour order 1): 149.7,93 152.5,93 152.5,97.8 149.7,97.8

## Keep-outs
Keep-Out Layer:
  the board outline again, w0.2

## Silkscreen, mask and mechanical layers (free items; w line width, h text height)
Top Overlay:
  lines w0.15: 137.435,56.096 137.435,57.271 137.71,57.546 143.16,57.546 143.435,57.271 143.435,56.096 ; 146.425,56.05 146.425,57.225 146.7,57.5 152.15,57.5 152.425,57.225 152.425,56.05 ; 146.425,63.55 146.425,64.725 146.7,65 152.15,65 152.425,64.725 152.425,63.55 ; 146.425,71.05 146.425,72.225 146.7,72.5 152.15,72.5 152.425,72.225 152.425,71.05
  lines w0.2: 97.35,80.658 97.35,78.05 98.3,77.1 108.9,77.1 109.85,78.05 109.85,80.658 ; 100,94.175 100,91.374 100.674,90.7 109.274,90.7 110,91.426 110,94.175 ; 111.374,80.659 111.374,77.851 112.124,77.101 125.624,77.101 126.374,77.851 126.374,80.659 ; 111.65,94.158 111.65,91.35 112.4,90.6 125.9,90.6 126.65,91.35 126.65,94.158 ; 128,80.675 128,77.867 128.75,77.117 142.25,77.117 143,77.867 143,80.675 ; 128.15,94.158 128.15,91.35 128.9,90.6 142.4,90.6 143.15,91.35 143.15,94.158 ; 149.277,93.4 149.277,91.6 156.88,91.6 156.88,93.4 ; 153.079,91.6 153.079,93.3
  text "PD1" at 123.356,92.8 h2
  text "PD0" at 139.856,92.8 h2
  text "VIN" at 149.761,91.9 h2
  text "GND" at 153.294,91.9 h2
  text "5V" at 114.6,91.851 h1.75 r90
  text "5V" at 131.1,91.851 h1.75 r90
  text "TIM" at 123.32,91.333 h2
  text "TIM" at 139.82,91.333 h2
  text "GND" at 122.1,91.212 h1.75 r90
  text "GND" at 138.6,91.212 h1.75 r90
  text "TRIG" at 117.1,91.069 h1.75 r90
  text "TRIG" at 133.6,91.069 h1.75 r90
  text "ECHO" at 119.6,90.601 h1.75 r90
  text "ECHO" at 136.1,90.601 h1.75 r90
  text "TX" at 102.65,89.3 h2
  text "RX" at 105.354,89.3 h2
  text "PA0" at 101.876,88 h2
  text "PA1" at 105.076,88 h2
  text "PB6" at 139.906,79.217 h2
  text "PA2" at 123.28,79.201 h2
  text "5V" at 100.3,78.451 h1.75 r90
  text "RX" at 121.8,78.385 h1.75 r90
  text "TX" at 135.95,78.386 h1.75 r90
  text "5V" at 114.324,78.352 h1.75 r90
  text "TX" at 119.324,78.37 h1.75 r90
  text "5V" at 130.95,78.368 h1.75 r90
  text "RX" at 138.45,78.313 h1.75 r90
  text "PB7" at 139.906,77.917 h2
  text "PA3" at 123.28,77.901 h2
  text "GND" at 105.4,77.712 h1.75 r90
  text "GND" at 116.9,77.712 h1.75 r90
  text "GND" at 133.55,77.712 h1.75 r90
  text "PB15" at 102.8,77.686 h1.75 r90
  text "GND" at 145.23,72.768 h1.75
  text "PB1" at 148.787,72.754 h1.75
  text "G070小车主控" at 126.737,69.075 h3
  text "3V3" at 125.474,67.4 h1.75
  text "V1" at 128.574,67.224 h2.5
  text "1" at 130.63,67.224 h2.5
  text "." at 130.415,67.2 h2.75
  text "2022/5/23" at 133.8,67.2 h2.25
  text "5V" at 125.451,65.8 h1.75
  text "GND" at 145.23,65.268 h1.75
  text "PB0" at 148.787,65.268 h1.75
  text "GND" at 136.24,57.815 h1.75
  text "PA6" at 139.798,57.815 h1.75
  text "GND" at 145.23,57.768 h1.75
  text "PA7" at 148.787,57.754 h1.75
Bottom Overlay:
  text "JLCJLCJLC" at 114.003,98.919 h1.75
Mechanical 1:
  the board outline again, w0.2

## Dimensions
96.5,51 to 96.5,101 on Top Overlay
93.5,98 to 162,98 on Top Overlay

## Text inside footprints (layer, text, board x,y; h text height)
USB2: Top Overlay "+" at 129.595,53.859 h1.02 r90